# Altium PCB Aixcel_Tiny_STLink_Board.PcbDoc
Units mm, origin at the board's own origin, x right, y up, seen from the top; angles counter-clockwise.
Board outline 50.95 x 29.99 mm, 4 copper layers (Top Layer, GND Layer, PWR Layer, Bottom Layer), stack 1.181 mm thick; 52 components, 41 nets, 271 pads, 228 vias.
Unrouted connection lines stored in the file: 6.
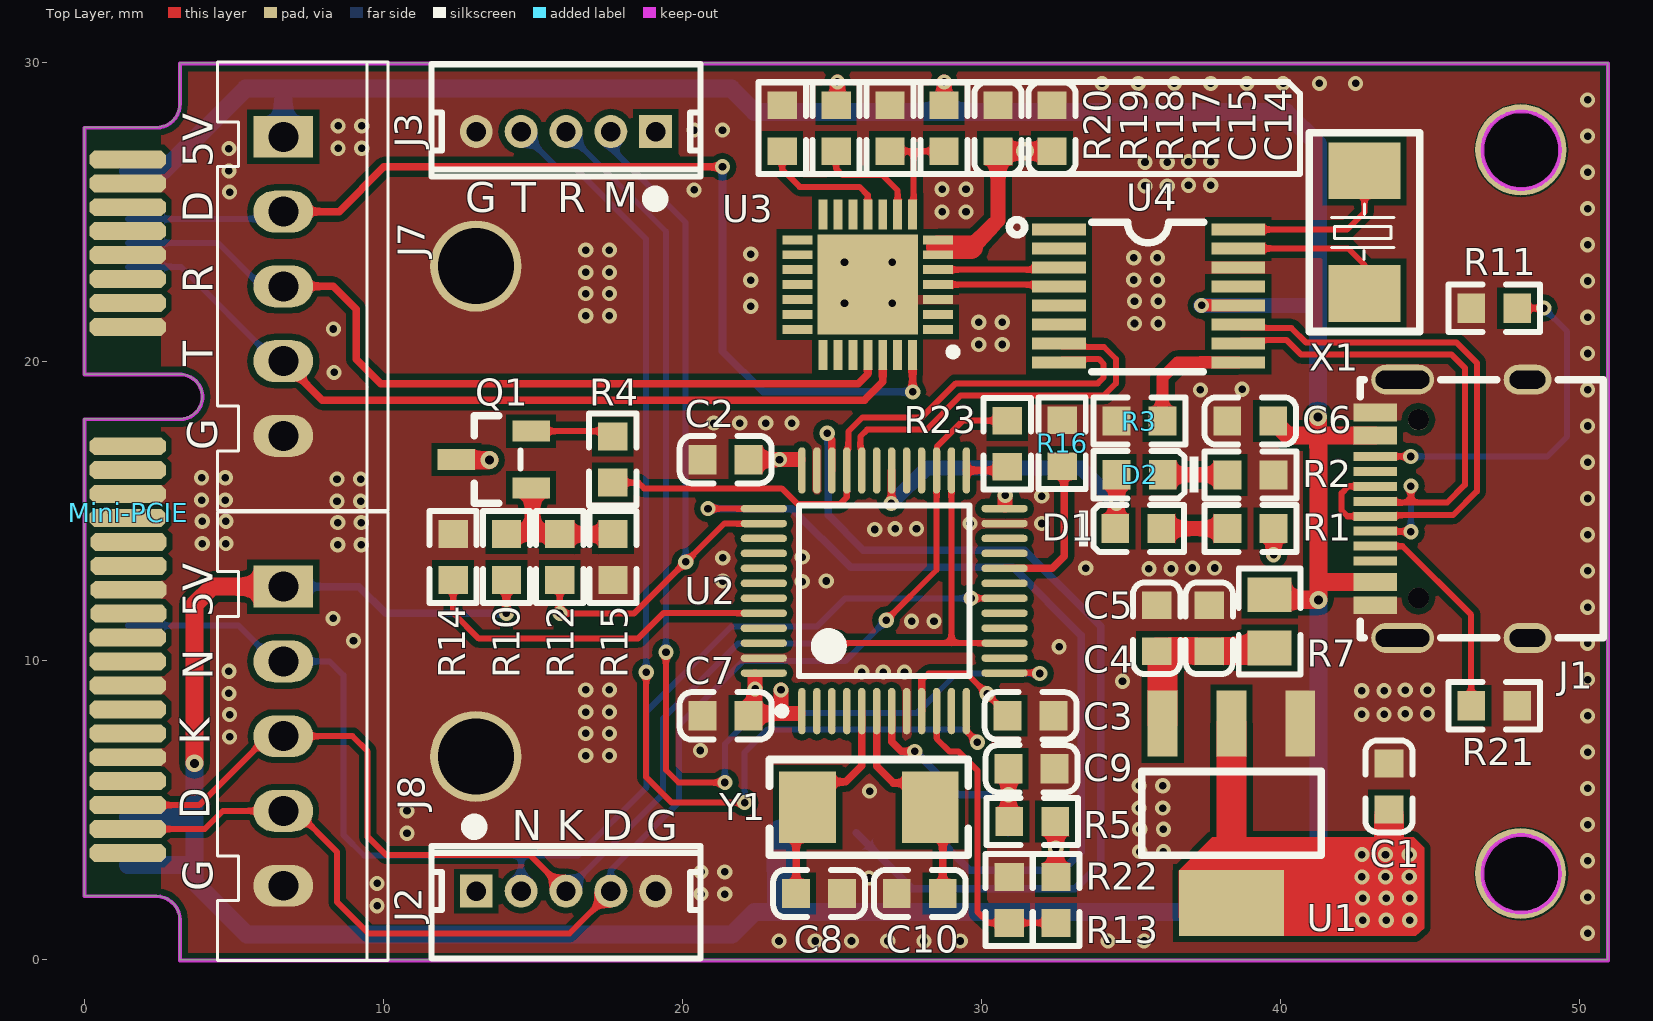
[diagram p0: Top Layer view]
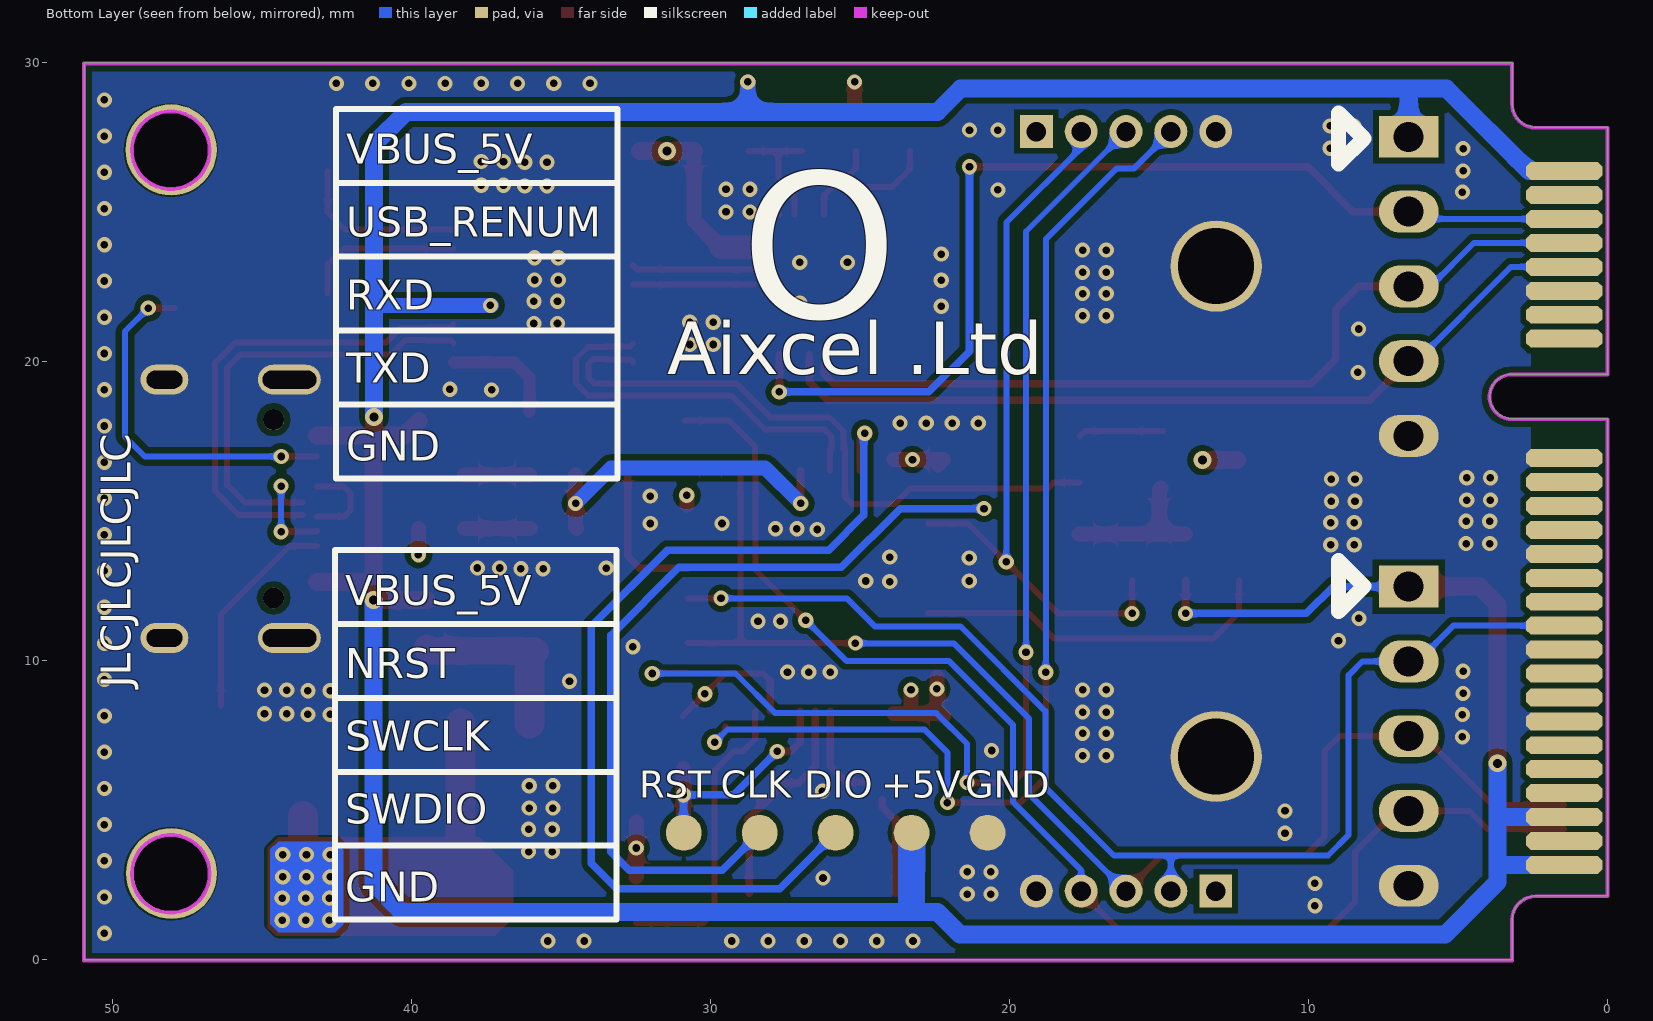
[diagram p1: Bottom Layer view, seen from below]
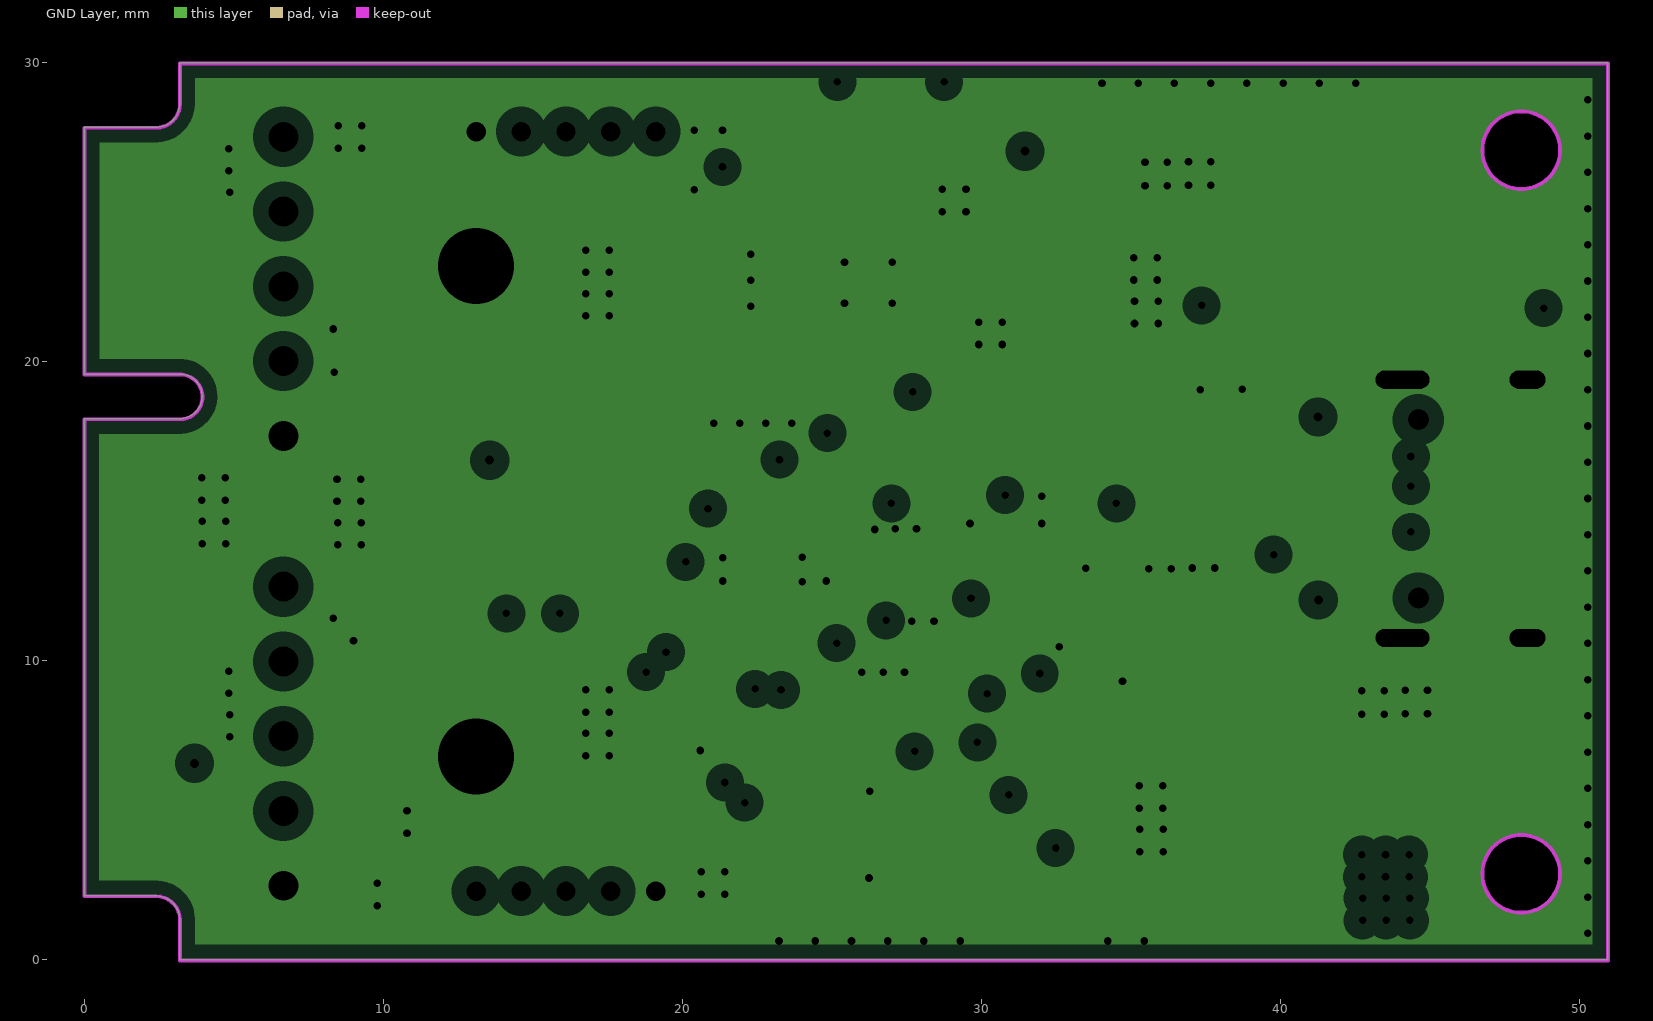
[diagram p2: GND Layer, clearances drawn from the general rule]
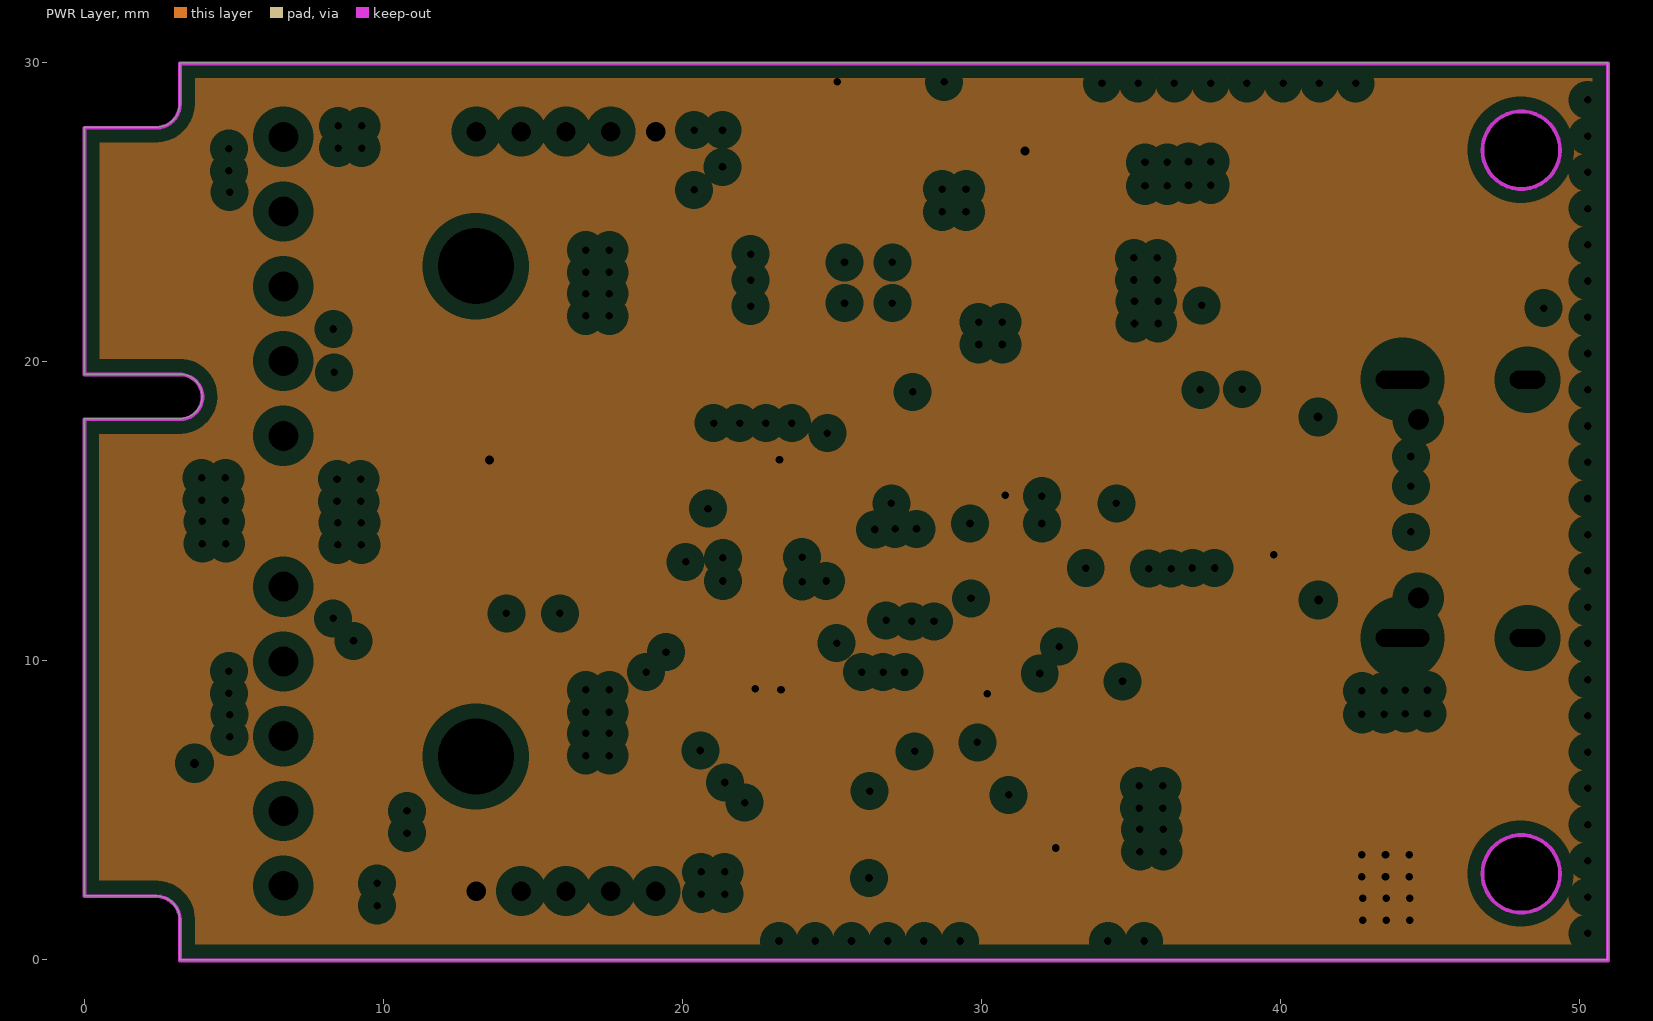
[diagram p3: PWR Layer, clearances drawn from the general rule]
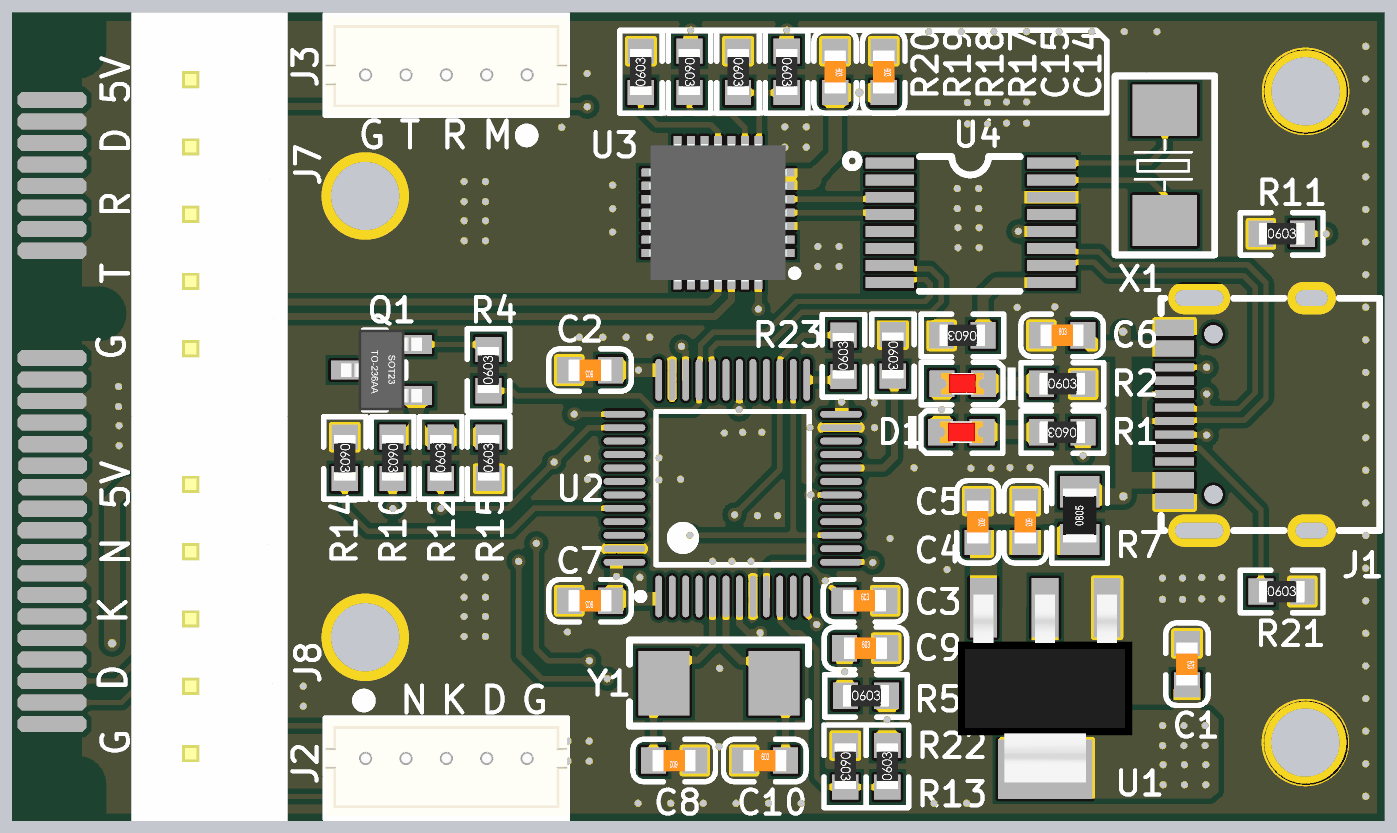
[diagram p4: 3D render of the assembled board from above, using the file's embedded part models]

## Layer stack, top to bottom
Top Solder: solder mask 0.0102, Solder Resist, Dk 3.5
Top Layer: signal copper 0.0356
Dielectric 1: dielectric 0.35, FR-4, Dk 4.8
GND Layer: plane copper 0.035, net GND
Dielectric 2: prepreg 0.35, PP-006, Dk 4.1
PWR Layer: plane copper 0.035, net VCC_3V3
Dielectric 3: prepreg 0.34, PP-006, Dk 4.1
Bottom Layer: signal copper 0.0356
Bottom Solder: solder mask 0.0102, Solder Resist, Dk 3.5

## Board outline
0,2.143 0,18.098 3.201,18.098 ccw(c3.205,18.843) 3.248,19.585 0.005,19.585 0.005,27.843 2.401,27.843 ccw(c2.401,28.643) 3.201,28.643 3.201,29.992 50.953,29.992 50.953,0 3.201,0 3.201,1.343 ccw(c2.401,1.343) 2.401,2.143

## Design rules (kind name [scope] priority, off if disabled: settings)
Clearance [Not (InComponent('Mini-PCIE') or HasPad('Free-0') or HasPad('Free-1'))] p1: gap=0.2 ignorepadtopadclearanceinfootprint=TRUE except(0: Arc-Hole Track-Hole SMDPad-Hole THPad-Hole Via-Hole Fill-Hole Poly-Hole Region-Hole Text-Hole)
DiffPairsRouting [All] p1: maxlimit=0.254 minlimit=0.2 mostfreqgap=0.2 toplayer_minwidth=0.2 toplayer_maxwidth=0.381 toplayer_prefwidth=0.2 bottomlayer_minwidth=0.2 bottomlayer_maxwidth=0.381 bottomlayer_prefwidth=0.2 maxuncoupledlength=12.7
HoleSize [All] p1: absolutevalues=TRUE maxlimit=25.4 minlimit=0.025 maxpercent=80.000 minpercent=20.000
MinimumSolderMaskSliver [All] p1: minsoldermaskwidth=0.128
PlaneClearance [All] p1: clearance=0.508
PlaneConnect [All] p1: planeconnectstyle=Direct reliefexpansion=0.508 reliefentries=4 reliefconductorwidth=0.254 reliefairgap=0.254
PolygonConnect [All] p1: connectstyle=Direct reliefconductorwidth=0.254 reliefentries=4 polygonreliefangle="90 Angle" airgapwidth=0.254
RoutingVias [All] p1: holewidth=0.711 width=1.27 viastyle="Through Hole" minholewidth=0.711 minwidth=1.27 maxholewidth=0.711 maxwidth=1.27
SilkToSilkClearance [All] p1: silktosilkclearance=0.128
SilkToSolderMaskClearance [IsPad] p1: minsilkscreentomaskgap=0.128 clearancetoexposedcopper=TRUE
SolderMaskExpansion [All] p1: expansion=0.102
Width [All] p1: maxlimit=25.4 minlimit=0.128 preferedwidth=0.2 minimp=50.000000 maximp=50.000000 favimp=50.000000
23 further rules are at their usual default settings.

## Classes and differential pairs
differential pair USB: +USB_P -USB_N
differential pair MCU_FS: +MCU_FS_P -MCU_FS_N

## Components (designator, comment, footprint, x,y, rotation, side; value= is the part's Value field where it differs from the comment)
+5V "CHECK" CHECK-D 23.286,4.25 r90 bottom
C1 "4.7uF" 0603_C 43.64,5.8 r270 top
C2 "100nF" 0603_C 21.454,16.728 r180 top
C3 "100nF" 0603_C 31.654,8.16 r0 top
C4 "100nF" 0603_C 37.63,11.09 r270 top
C5 "10uF" 0603_C 35.87,11.09 r270 top
C6 "10uF" 0603_C 38.998,18.02 r0 top
C7 "1uF" 0603_C 21.454,8.16 r180 top
C8 "20pF" 0603_C 24.582,2.221 r180 top
C9 "100nF" 0603_C 31.688,6.392 r0 top
C10 "20pF" 0603_C 27.948,2.221 r0 top
C14 "4.7uF" 0603_C 32.368,27.812 r270 top
C15 "100nF" 0603_C 30.563,27.812 r270 top
CLK "CHECK" CHECK-D 28.366,4.25 r180 bottom
D1 "红灯" 0603_LED_S1 35.254,14.424 r0 top
D2 "绿灯" 0603_LED_S1 35.3,16.226 r180 top
DIO "CHECK" CHECK-D 25.826,4.25 r180 bottom
GND "CHECK" CHECK-D 20.745,4.25 r180 bottom
J1 "TYPEC-304-BCP16" TypeC-16Pin 46.954,15.062 r90 top locked
J2 "SWD-1.5" ZH1.5-LI-5P 16.116,2.3 r0 top
J3 "CP-UART" ZH1.5-LI-5P 16.116,27.7 r180 top
J7 "CDC-UART" 2.54XH接插件5P 6.664,22.524 r270 top locked
J8 "SWD-2.54" 2.54XH接插件5P 6.664,7.48 r270 top locked
Mini-PCIE "PIN-52" PCBComponent_1 3.63,29.993 r270 top locked
Q1 "MMBT5551  G1" SOT-23(SOT-23-3) 13.702,16.732 r0 top
R1 "5.1KΩ" 0603_R 39.006,14.424 r180 top
R2 "10KΩ" 0603_R 39.006,16.217 r0 top
R3 "2.7KΩ" 0603_R 35.292,18.02 r180 top
R4 "1.5KΩ" 0603_R 17.68,16.732 r90 top
R5 "10KΩ" 0603_R 31.71,4.624 r0 top
R7 "0Ω" 0805_R 39.65,11.32 r90 top
R10 "10KΩ" 0603_R 14.124,13.468 r270 top
R11 "5.1KΩ" 0603_R 47.158,21.794 r0 top
R12 "100Ω" 0603_R 15.907,13.468 r90 top
R13 "4.7KΩ" 0603_R 32.504,2.006 r90 top
R14 "10KΩ" 0603_R 12.342,13.468 r270 top
R15 "36KΩ" 0603_R 17.689,13.468 r90 top
R16 "10KΩ" 0603_R 32.708,17.275 r270 top
R17 "22KΩ" 0603_R 28.759,27.812 r270 top
R18 "47KΩ" 0603_R 26.954,27.812 r270 top
R19 "2.2KΩ" 0603_R 25.15,27.812 r270 top
R20 "10KΩ (NC)" 0603_R 23.345,27.812 r90 top
R21 "5.1KΩ" 0603_R 47.158,8.5 r0 top
R22 "4.7KΩ" 0603_R 30.94,2.006 r270 top
R23 "100Ω" 0603_R 30.872,17.262 r90 top
RST "CHECK" CHECK-D 30.906,4.25 r180 bottom
U1 "AMS1117-3.3" SOT-223 38.37,4.9 r90 top
U2 "STM32F103CBT6" STM-LQFP48_L 26.758,12.342 r90 top
U3 "CP2102N-A02-GQFN28" QFN50P500X500X80-29N-D 26.21,22.58 r180 top
U4 "FE8.1" SSOP-16_L4.9-W3.9-P0.64-LS6.0-BL 35.598,22.202 r270 top
X1 "12MHz" 12MHz 42.738,24.31 r270 top
Y1 "8MHz" SMD-5032_2P 26.248,5.1 r0 top

## Footprints (in the part's own frame and the unit in brackets; to place one, negate y for a bottom-side part, rotate by r counter-clockwise, add the part's x,y. Pads: shape width x height; smd on the part's side, far side on the other; paste and mask are expansions set on the pad)
2.54XH接插件5P [mm]
  rect 1.4x2 hole 1: 1(-5,0)
  oval 1.4x2 hole 1: 2(-2.5,0) 3(0,0) 4(2.5,0) 5(5,0)
  silkscreen extent -7.5,-2.2 7.5,3.5, body extent -7.5,-2.25 7.5,3.45, height 7
12MHz [mm]
  rect 1.9x2.4 smd: 1(-2.078,0.081) 2(2.022,0.081)
  silkscreen extent -3.35,-1.77 3.3,1.93
0603_C [mm]
  rect 0.93x0.98 smd: 1(-0.77,0) 2(0.77,0)
  silkscreen extent -1.53,-0.79 1.54,0.79, body extent -0.8,-0.4 0.8,0.4, height 0.3
0603_LED_S1 [mm]
  rect 0.93x0.98 smd: A(0.77,0) K(-0.77,0)
  silkscreen extent -1.97,-0.79 1.54,0.79, body extent -0.8,-0.4 0.8,0.4, height 0.6
0603_R [mm]
  rect 0.93x0.98 smd: 1(-0.77,0) 2(0.77,0)
  silkscreen extent -1.53,-0.79 1.54,0.79, body extent -0.85,-0.4 0.85,0.4, height 0.56
0805_R [mm]
  rect 1.16x1.47 smd: 1(-0.89,0) 2(0.89,0)
  silkscreen extent -1.77,-1.04 1.77,1.03, body extent -1,-0.62 1,0.63, height 0.49
CHECK-D [mm]
  round 1.2 smd: 1(0,0)
PCBComponent_1 [mm]
  oct 0.6x2.55 smd mask+0: 1(3.225,-2.168) 3(4.025,-2.168) 5(4.825,-2.168) 7(5.625,-2.168) 9(6.425,-2.168) 11(7.225,-2.168) 13(8.025,-2.168) 15(8.825,-2.168) 17(12.816,-2.168) 19(13.616,-2.168) 21(14.416,-2.168) 23(15.216,-2.168) 25(16.016,-2.143) 27(16.816,-2.143) 29(17.616,-2.143) 31(18.416,-2.143) 33(19.216,-2.168) 35(20.016,-2.168) 37(20.816,-2.168) 39(21.616,-2.168) 41(22.416,-2.168) 43(23.216,-2.168) 45(24.016,-2.168) 47(24.816,-2.168) 49(25.616,-2.168) 51(26.416,-2.168)
  oct 0.6x2.55 smd far side mask+0: 2(3.616,-2.168) 4(4.417,-2.168) 6(5.217,-2.168) 8(6.017,-2.168) 10(6.818,-2.168) 12(7.618,-2.168) 14(8.418,-2.168) 16(9.219,-2.168) 18(13.216,-2.168) 20(14.016,-2.168) 22(14.816,-2.168) 24(15.616,-2.168) 26(16.416,-2.168) 28(17.216,-2.168) 30(18.016,-2.168) 32(18.816,-2.168) 34(19.616,-2.168) 36(20.416,-2.168) 38(21.216,-2.168) 40(22.016,-2.168) 42(22.816,-2.168) 44(23.616,-2.168) 46(24.416,-2.168) 48(25.216,-2.168) 50(26.016,-2.168) 52(26.816,-2.168)
  Keep-Out Layer circle w0.127: c2.916,44.431 r1.3
  Keep-Out Layer circle w0.127: c27.116,44.431 r1.3
  Keep-Out Layer lines w0.127: 10.416,-3.619 10.416,-0.369 ; 10.375,-3.619 2.166,-3.619 2.166,-1.219 ccw(c1.366,-1.219) 1.366,-0.419 0.016,-0.419 0.016,47.331 30.016,47.331 30.016,-0.419 28.666,-0.419 ccw(c28.666,-1.219) 27.866,-1.219 27.866,-3.619 11.916,-3.619 11.916,-0.369 ; 11.916,-0.42 ccw(c11.166,-0.42) 10.416,-0.42 ; 27.116,47.331 15.016,47.331
QFN50P500X500X80-29N-D [mm]
  rect 1x0.3 smd: 1(-2.35,1.5) 2(-2.35,1) 3(-2.35,0.5) 4(-2.35,0) 5(-2.35,-0.5) 6(-2.35,-1) 7(-2.35,-1.5) 15(2.35,-1.5) 16(2.35,-1) 17(2.35,-0.5) 18(2.35,0) 19(2.35,0.5) 20(2.35,1) 21(2.35,1.5)
  rect 0.3x1 smd: 8(-1.5,-2.35) 9(-1,-2.35) 10(-0.5,-2.35) 11(0,-2.35) 12(0.5,-2.35) 13(1,-2.35) 14(1.5,-2.35) 22(1.5,2.35) 23(1,2.35) 24(0.5,2.35) 25(0,2.35) 26(-0.5,2.35) 27(-1,2.35) 28(-1.5,2.35)
  rect 3.35x3.35 smd: 29(0,0)
  silkscreen extent -2.98,2.13 -2.73,2.37, body extent -2.55,-2.55 2.55,2.55, height 0.8
SMD-5032_2P [mm]
  rect 1.9x2.4 smd: 1(-2.05,0) 2(2.05,0)
  silkscreen extent -3.32,-1.6 3.32,1.6
SOT-23(SOT-23-3) [mm]
  rect 1.25x0.7 smd: 1(1.25,-0.95) 2(1.25,0.95) 3(-1.25,0)
  silkscreen extent -0.65,-1.46 0.9,1.46, body extent -1.5,-1.5 1.5,1.5, height 1.3
SOT-223 [mm]
  rect 2.2x1 smd: 1(3,-2.3) 2(3,0) 3(3,2.3)
  rect 2.2x3.5 smd: 2(-3,0)
  silkscreen extent -1.4,-3 1.4,3, body extent -3.49,-3.24 3.49,3.24, height 1.64
SSOP-16_L4.9-W3.9-P0.64-LS6.0-BL [mil]
  rect 16x71 smd: 1(-87.5,-118.11) 2(-62.5,-118.11) 3(-37.5,-118.11) 4(-12.5,-118.11) 5(12.5,-118.11) 6(37.5,-118.11) 7(62.5,-118.11) 8(87.5,-118.11) 9(87.5,118.11) 10(62.5,118.11) 11(37.5,118.11) 12(12.5,118.11) 13(-12.5,118.11) 14(-37.5,118.11) 15(-62.5,118.11) 16(-87.5,118.11)
  silkscreen extent -101,-183 100,73
STM-LQFP48_L [mm] "QFP, 48-Leads, Body 7x7mm, Pitch 0.5mm, IPC High Density"
  oval 1.55x0.25 smd: 1(-4.025,2.75) 2(-4.025,2.25) 3(-4.025,1.75) 4(-4.025,1.25) 5(-4.025,0.75) 6(-4.025,0.25) 7(-4.025,-0.25) 8(-4.025,-0.75) 9(-4.025,-1.25) 10(-4.025,-1.75) 11(-4.025,-2.25) 12(-4.025,-2.75) 25(4.025,-2.75) 26(4.025,-2.25) 27(4.025,-1.75) 28(4.025,-1.25) 29(4.025,-0.75) 30(4.025,-0.25) 31(4.025,0.25) 32(4.025,0.75) 33(4.025,1.25) 34(4.025,1.75) 35(4.025,2.25) 36(4.025,2.75)
  oval 0.25x1.55 smd: 13(-2.75,-4.025) 14(-2.25,-4.025) 15(-1.75,-4.025) 16(-1.25,-4.025) 17(-0.75,-4.025) 18(-0.25,-4.025) 19(0.25,-4.025) 20(0.75,-4.025) 21(1.25,-4.025) 22(1.75,-4.025) 23(2.25,-4.025) 24(2.75,-4.025) 37(2.75,4.025) 38(2.25,4.025) 39(1.75,4.025) 40(1.25,4.025) 41(0.75,4.025) 42(0.25,4.025) 43(-0.25,4.025) 44(-0.75,4.025) 45(-1.25,4.025) 46(-1.75,4.025) 47(-2.25,4.025) 48(-2.75,4.025)
  silkscreen extent -4.15,-2.85 2.85,3.55, body extent -3.5,-3.5 3.5,3.5, height 1.6
TypeC-16Pin [mm]
  oval 1x2.1 hole 0.6 slot 1.8 at 90 deg: 13(-4.298,2.862) 14(4.342,2.862)
  oval 1x1.6 hole 0.6 slot 1.2 at 90 deg: 15(-4.298,-1.318) 16(4.342,-1.318)
  rect 0.6x1.45 smd: A1B12(-3.203,3.776) A4B9(-2.428,3.776) B1A12(3.242,3.776) B4A9(2.472,3.776)
  rect 0.3x1.45 smd: A5(-1.228,3.776) A6(-0.228,3.776) A7(0.272,3.776) A8(1.272,3.776) B5(1.772,3.776) B6(0.772,3.776) B7(-0.728,3.776) B8(-1.728,3.776)
  round 0.7 hole 0.7 unplated: ""(-2.958,2.331) ""(3.002,2.331)
  silkscreen extent -4.3,-3.85 4.34,4.28, body extent -4.46,-3.88 4.49,3.87, height 3.26
ZH1.5-LI-5P [mm] "长：9.0，宽：3.65，高：4.55   淘宝ID:黄晶宝石   店铺网址:https://shop463601444.taobao.com"
  rect 1.1x1.1 hole 0.65: 1(-3,0)
  round 1.1 hole 0.65: 2(-1.5,0) 3(0,0) 4(1.5,0) 5(3,0)
  silkscreen extent -4.5,-2.25 4.5,1.5, body extent -4.5,-2.15 4.5,1.5, height 4.6
